# Altium PCB master.PcbDoc (part 1 of 10)
Units mm, origin at the board's own origin, x right, y up, seen from the top; angles counter-clockwise.
Board outline 160 x 120 mm, 6 copper layers (Top Signal, Top GND, Inner PWR, Inner Signal, Bottom GND, Bottom Signal), stack 1.601 mm thick; 526 components, 435 nets, 2167 pads, 1617 vias.
Unrouted connection lines stored in the file: 3.
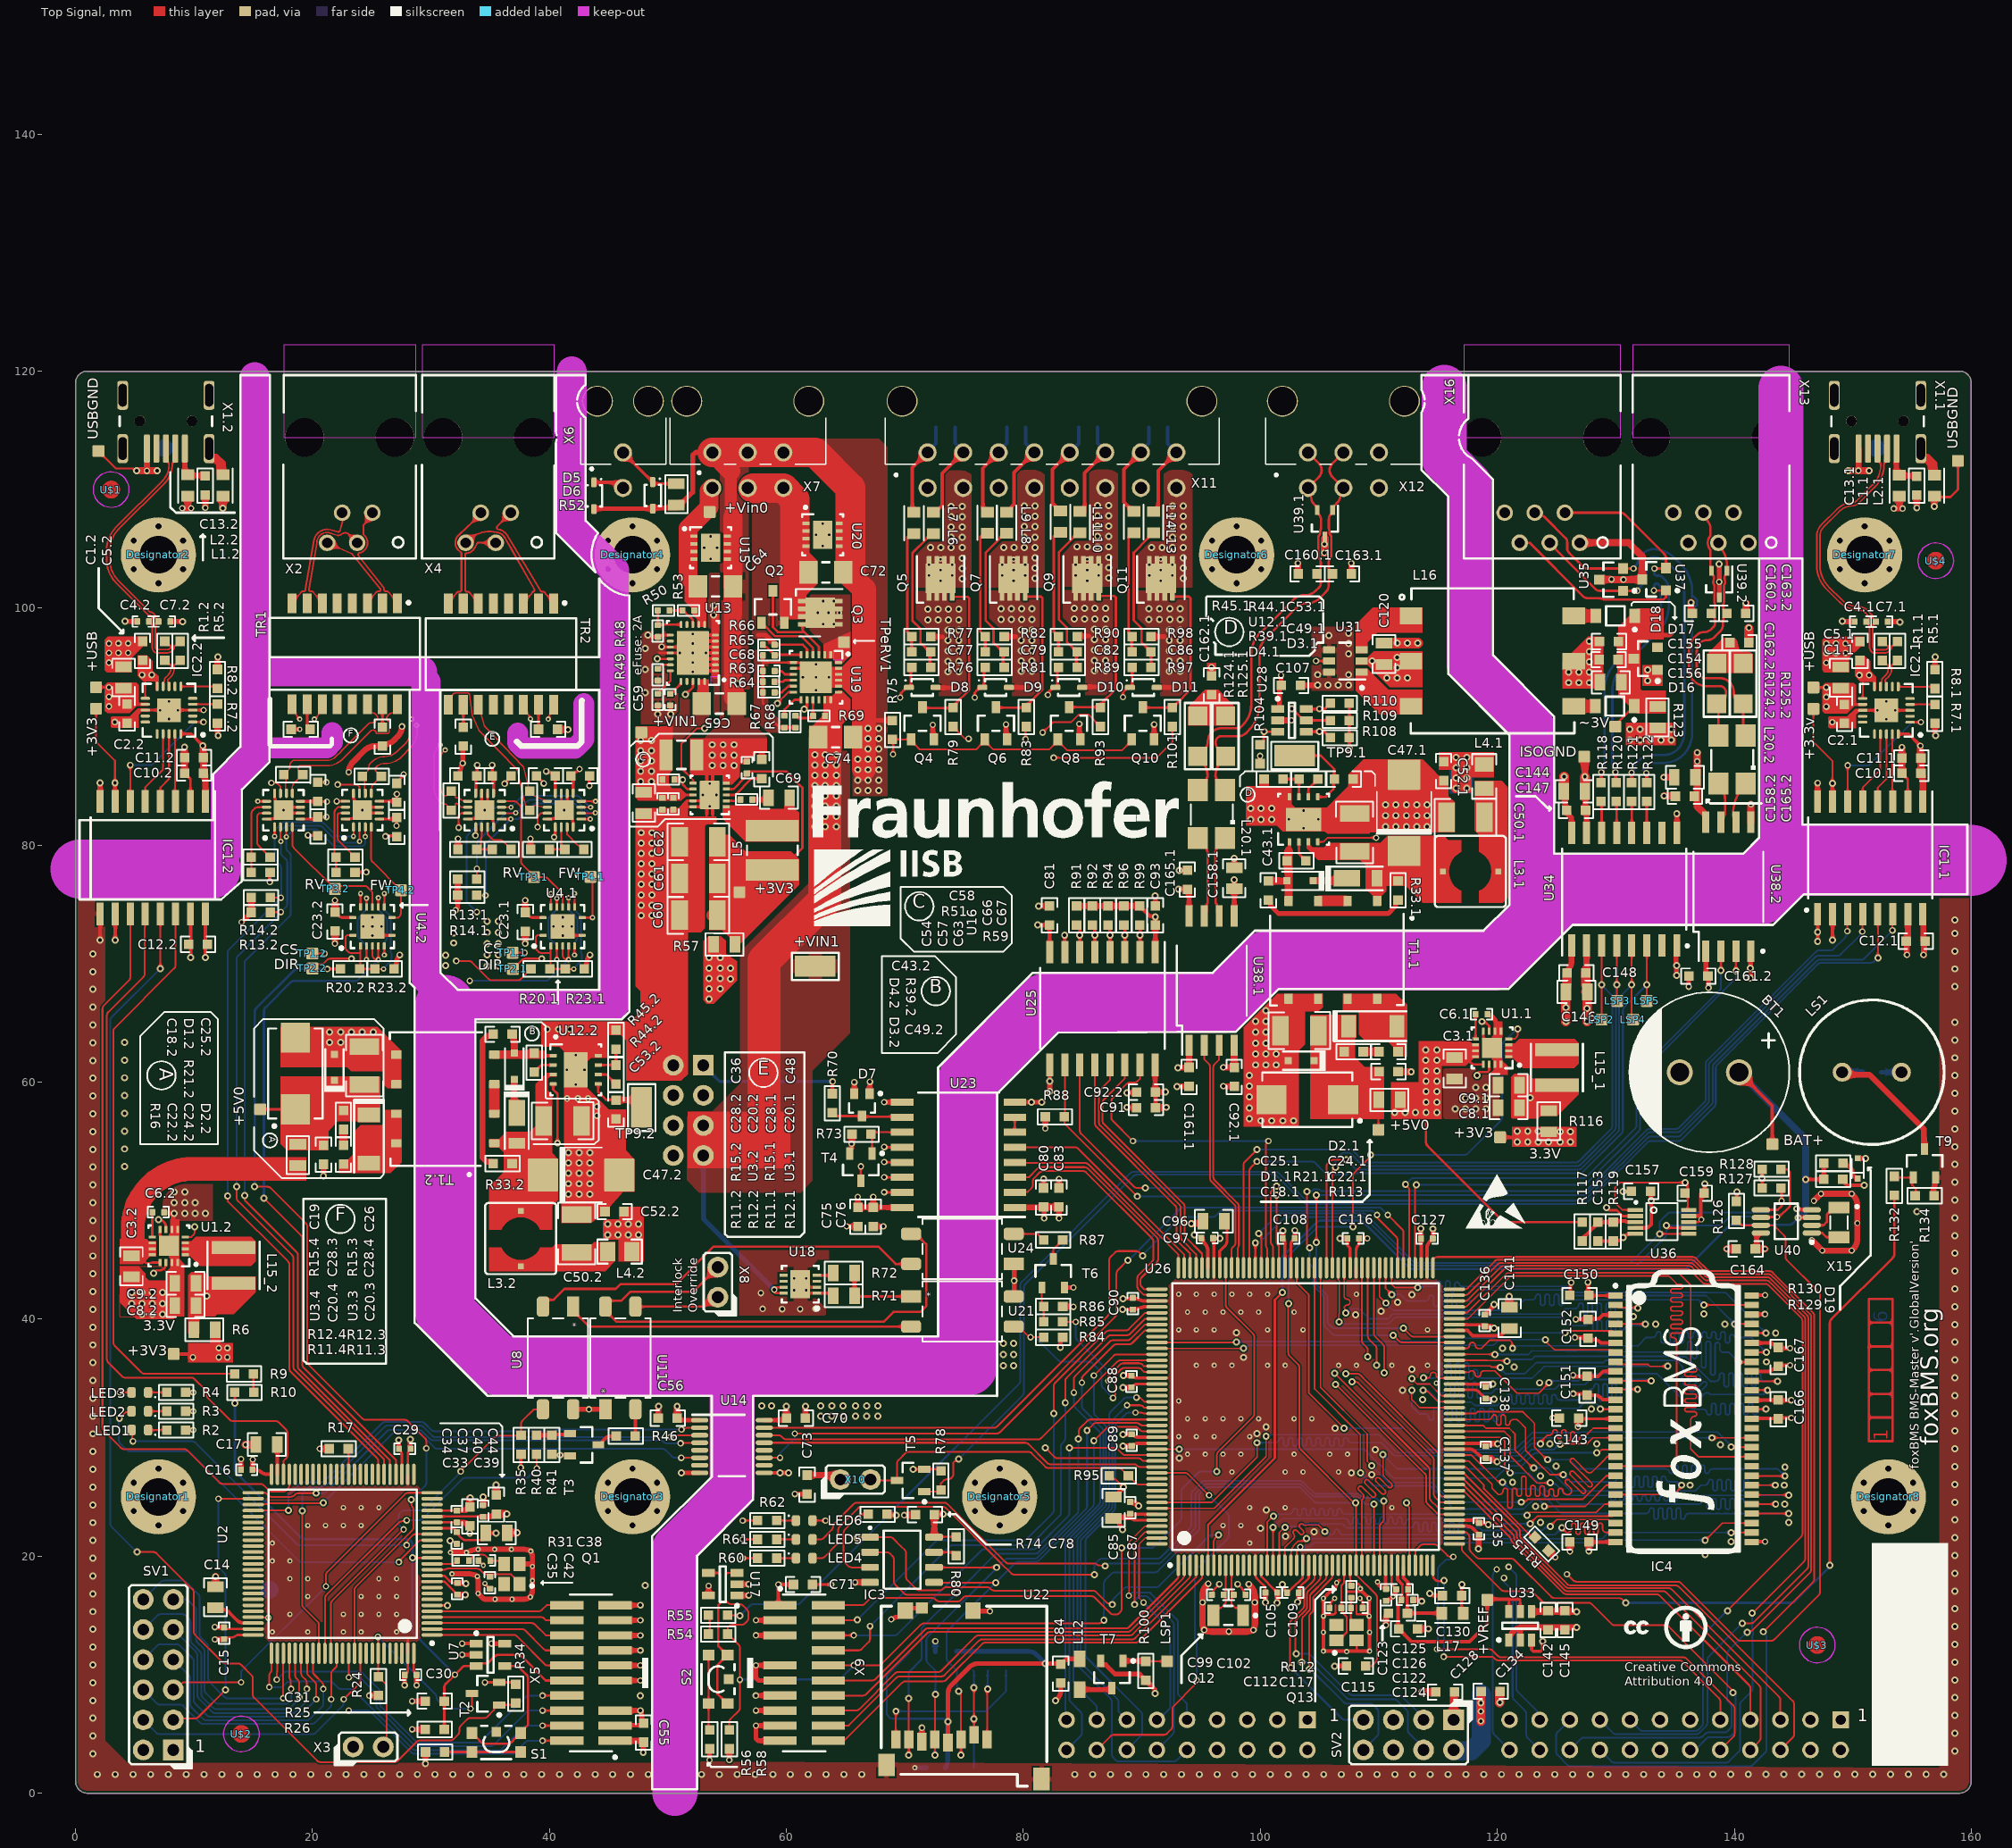
[diagram p0: Top Signal view]
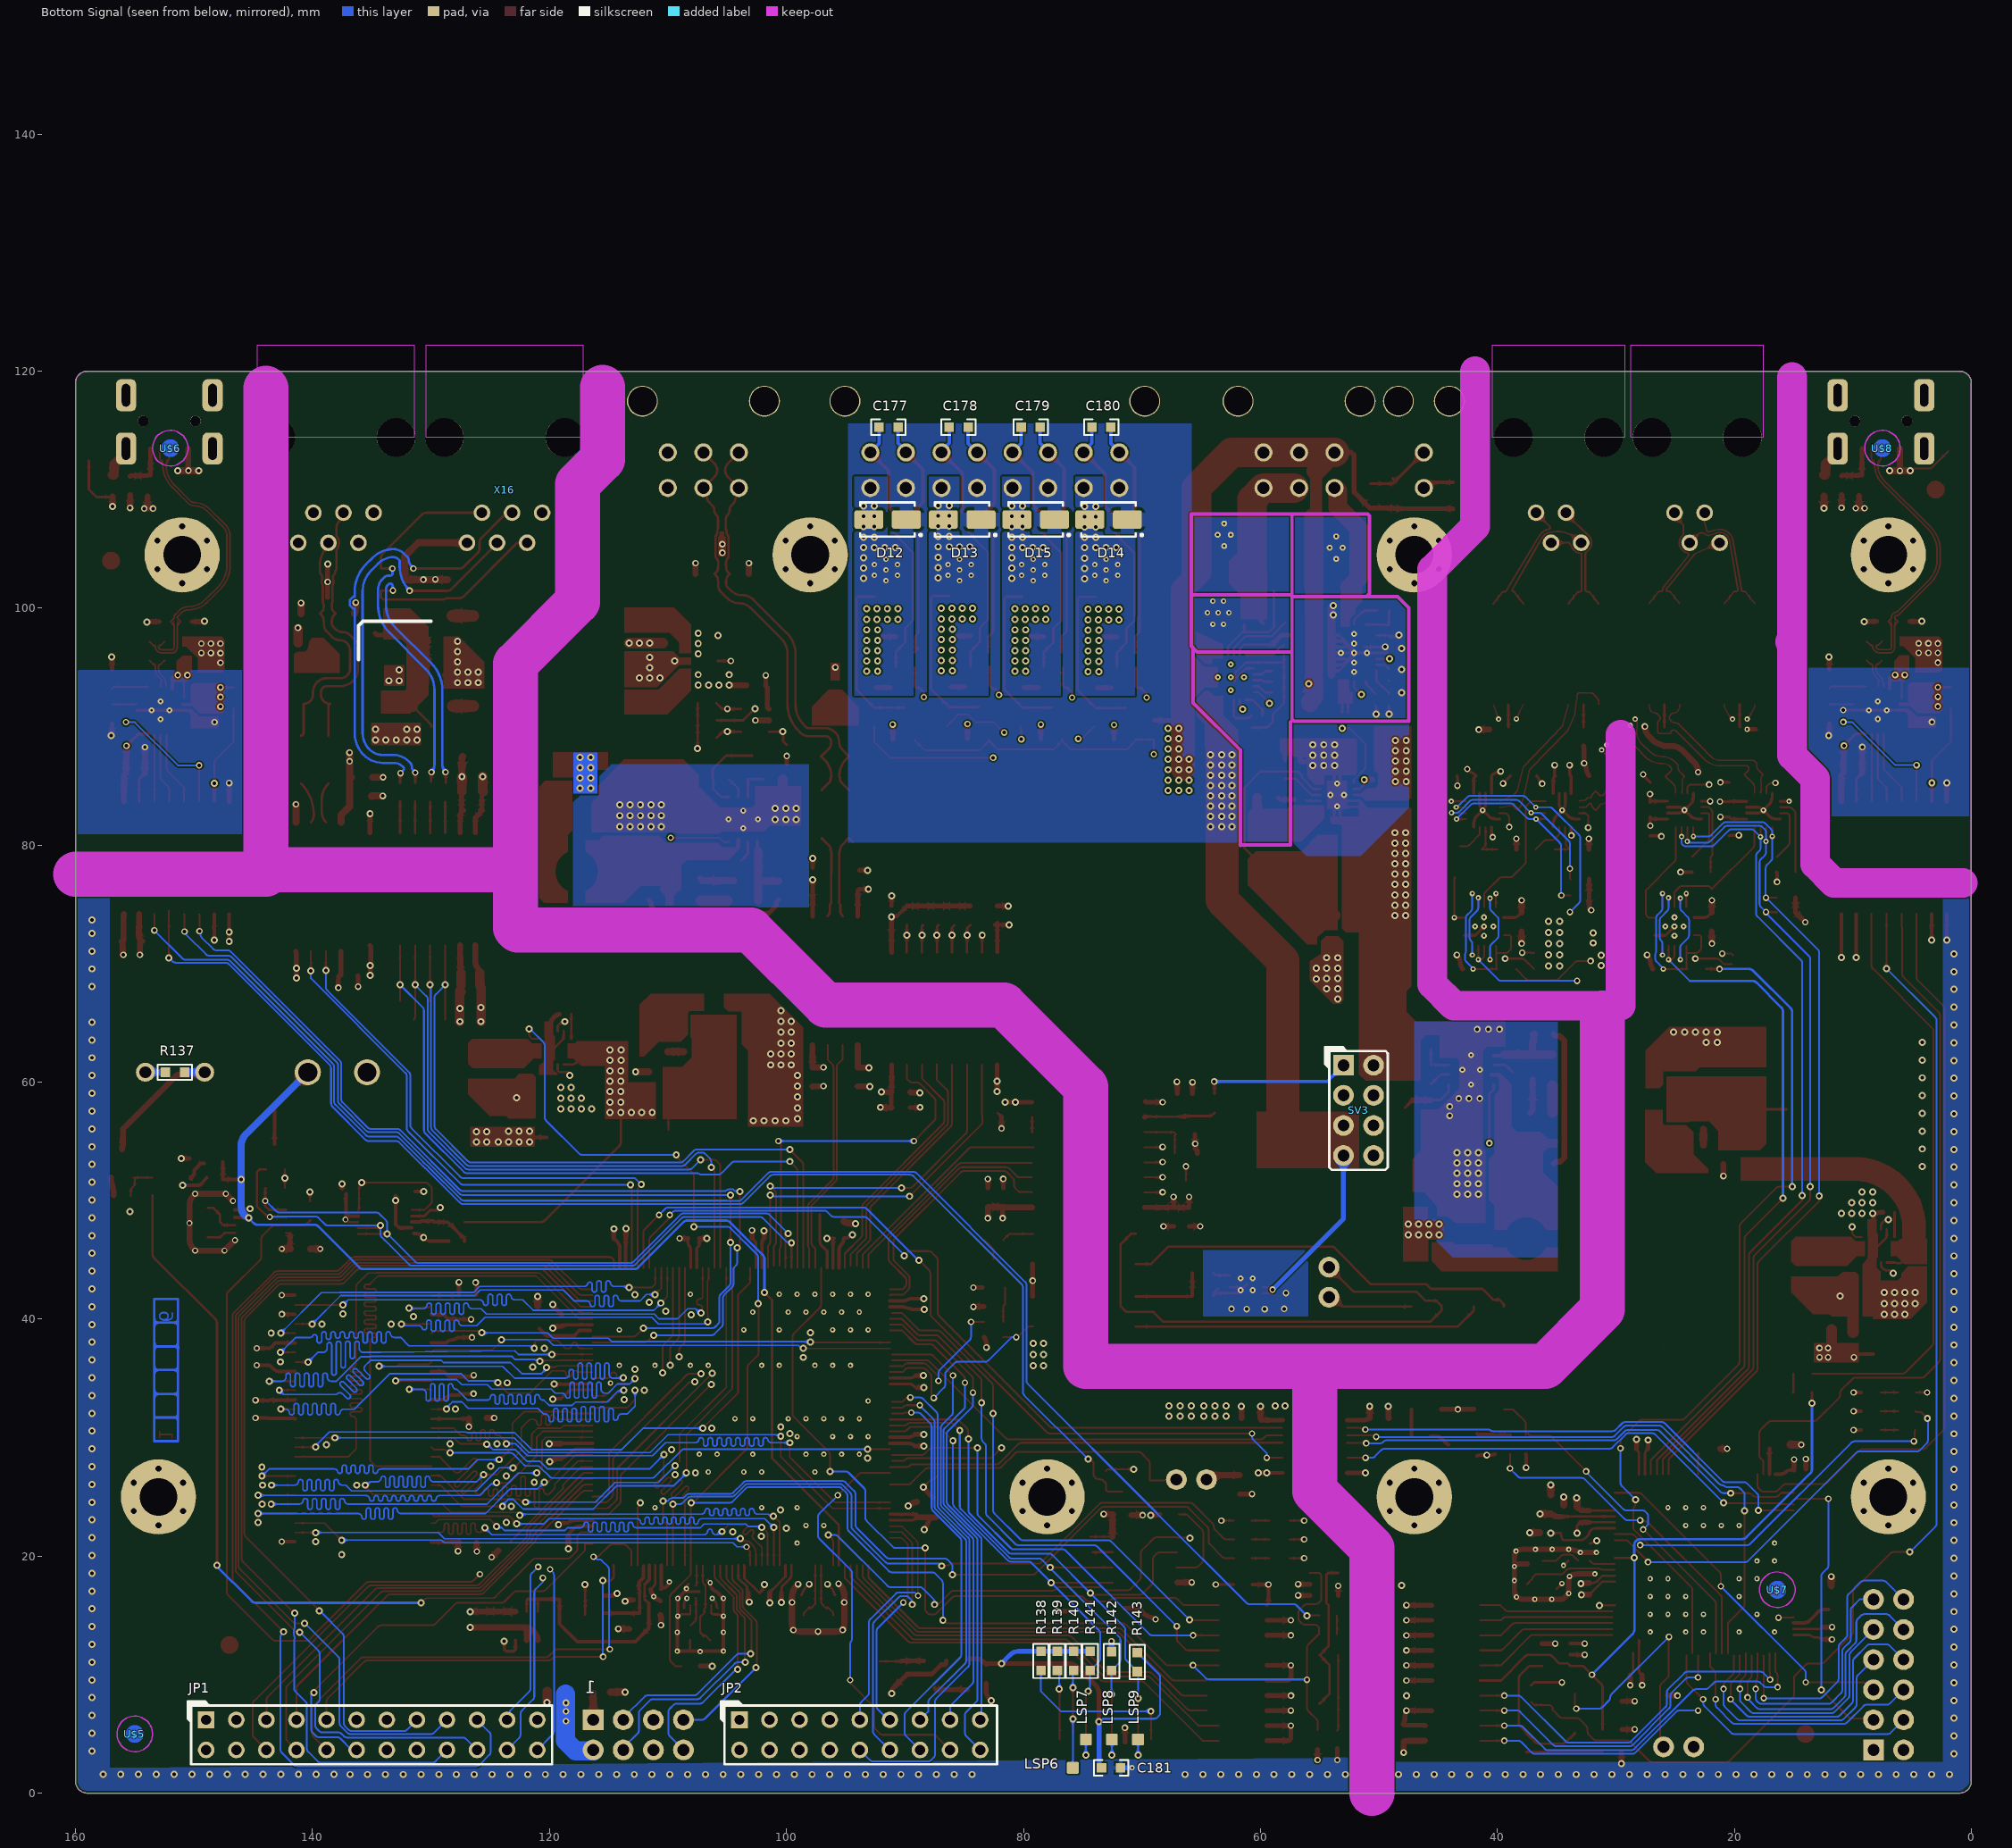
[diagram p1: Bottom Signal view, seen from below]
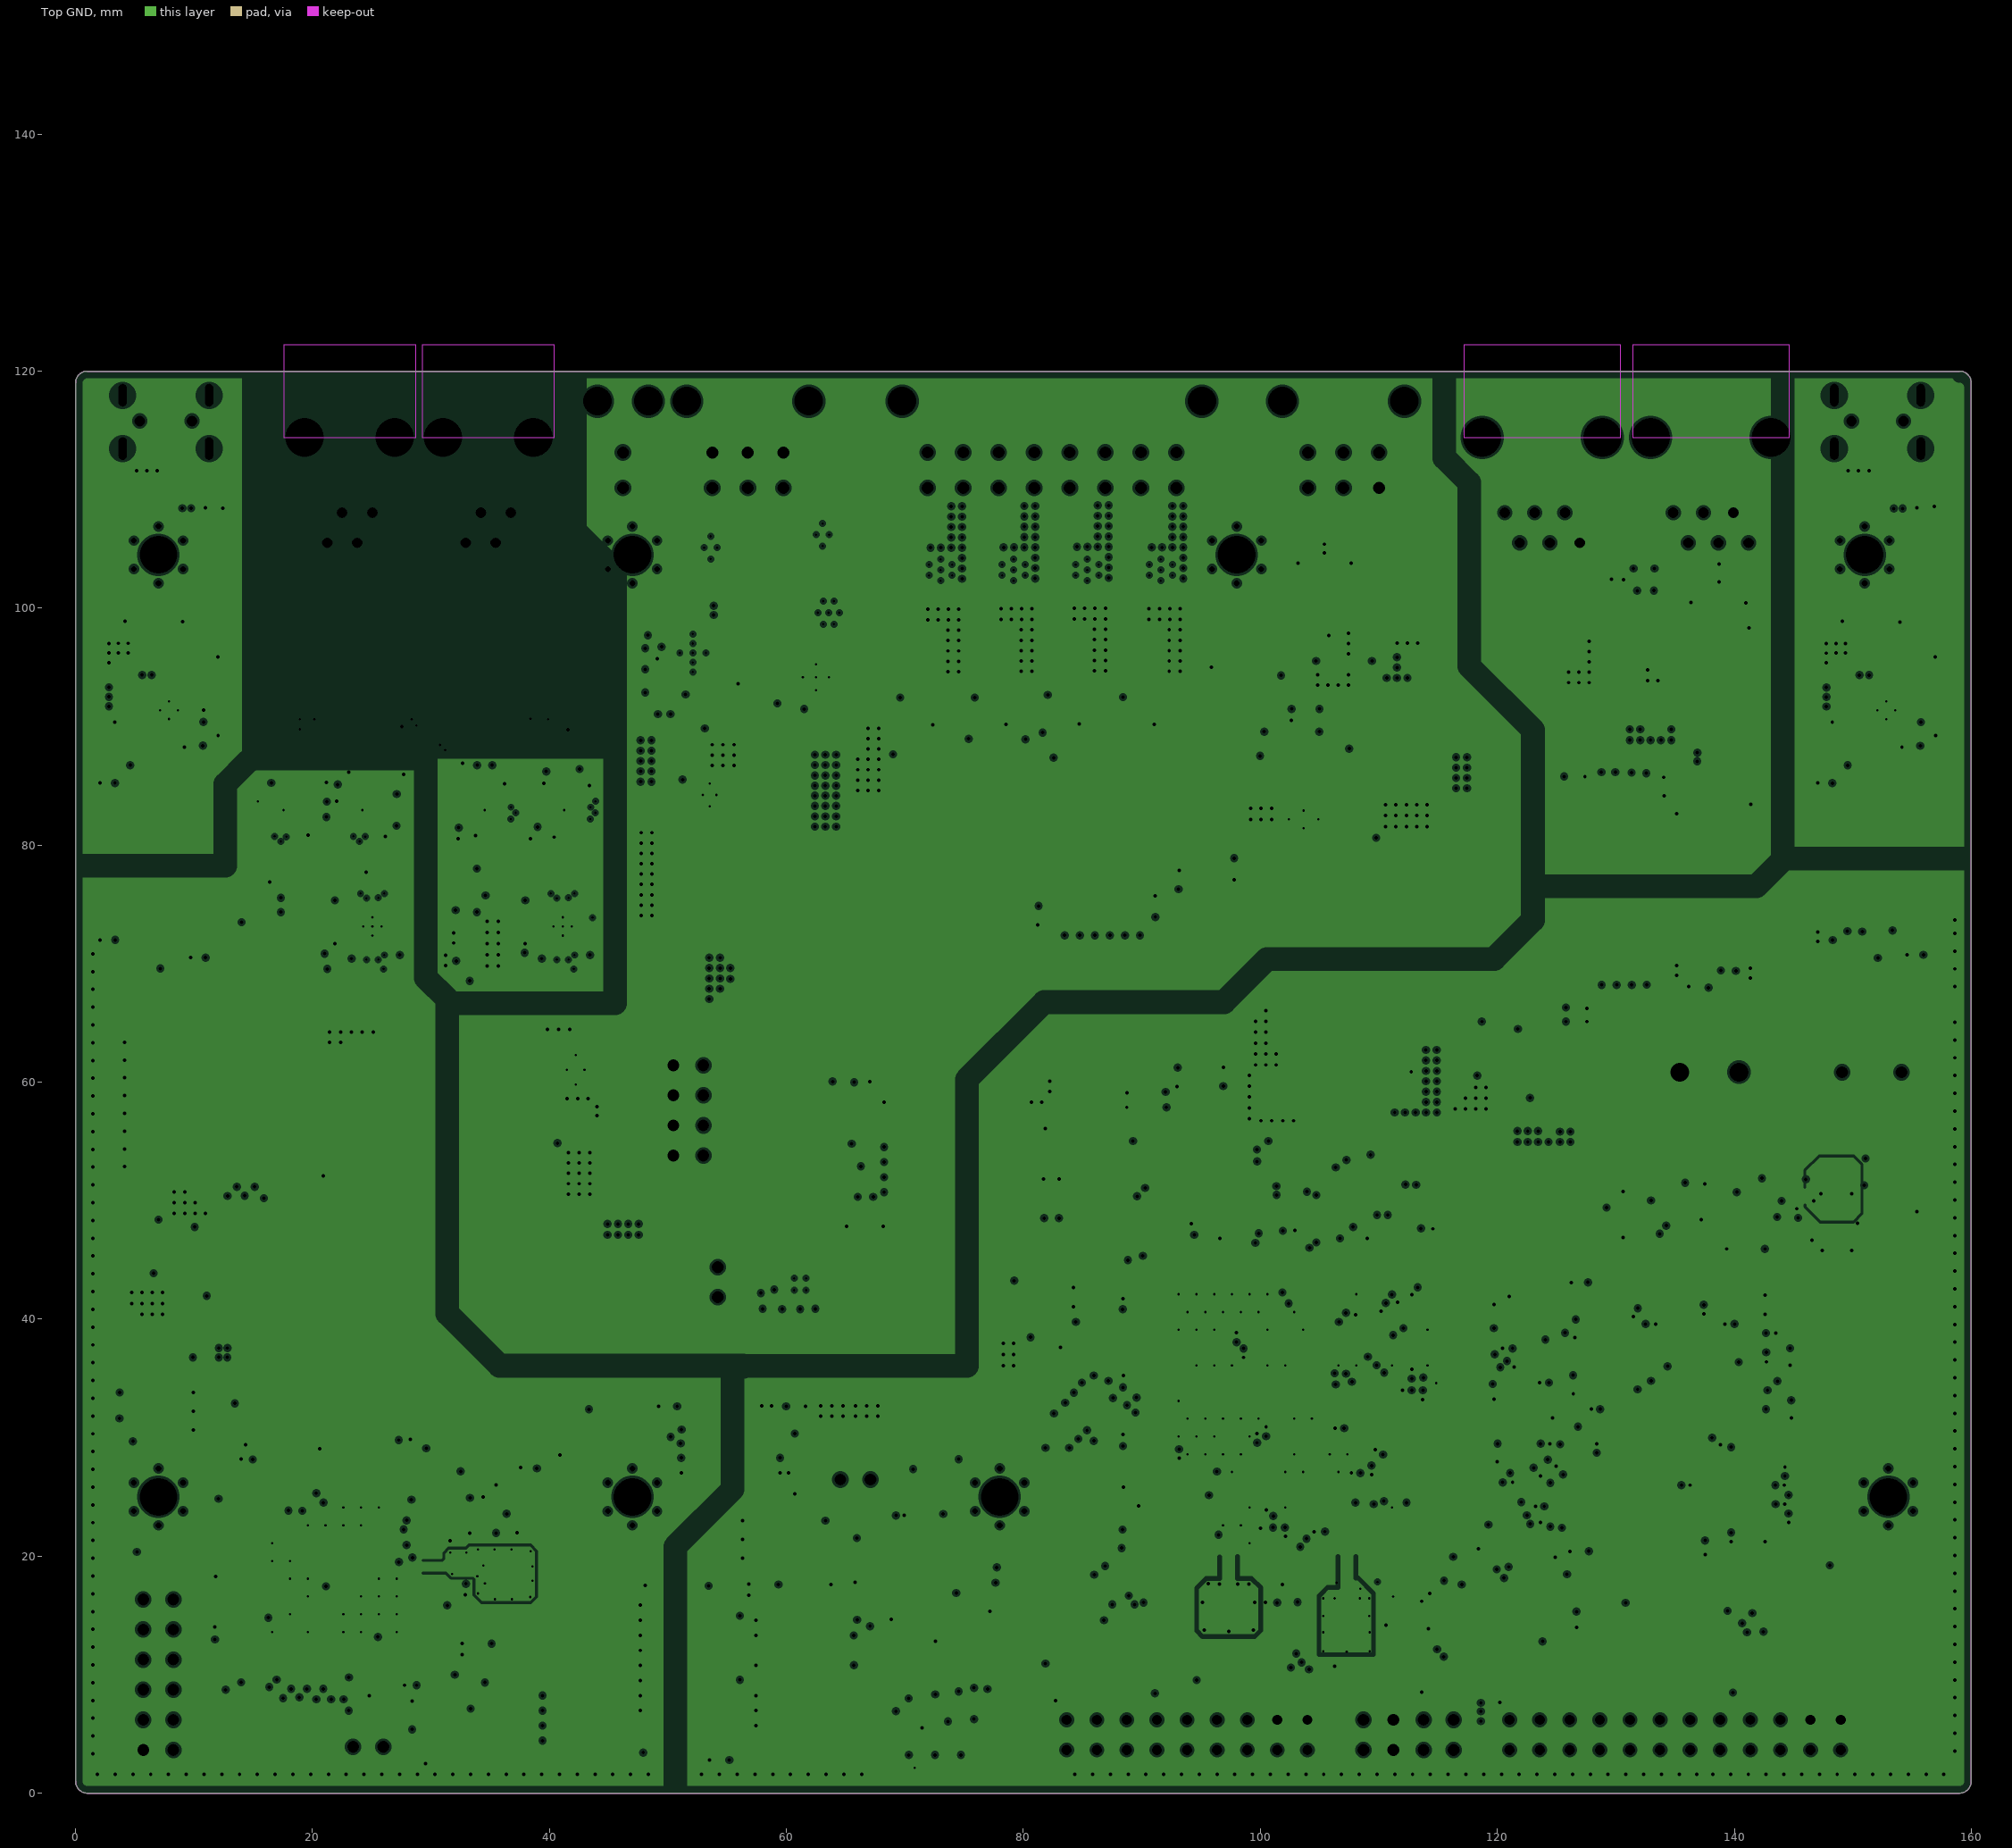
[diagram p2: Top GND, clearances drawn from the general rule]
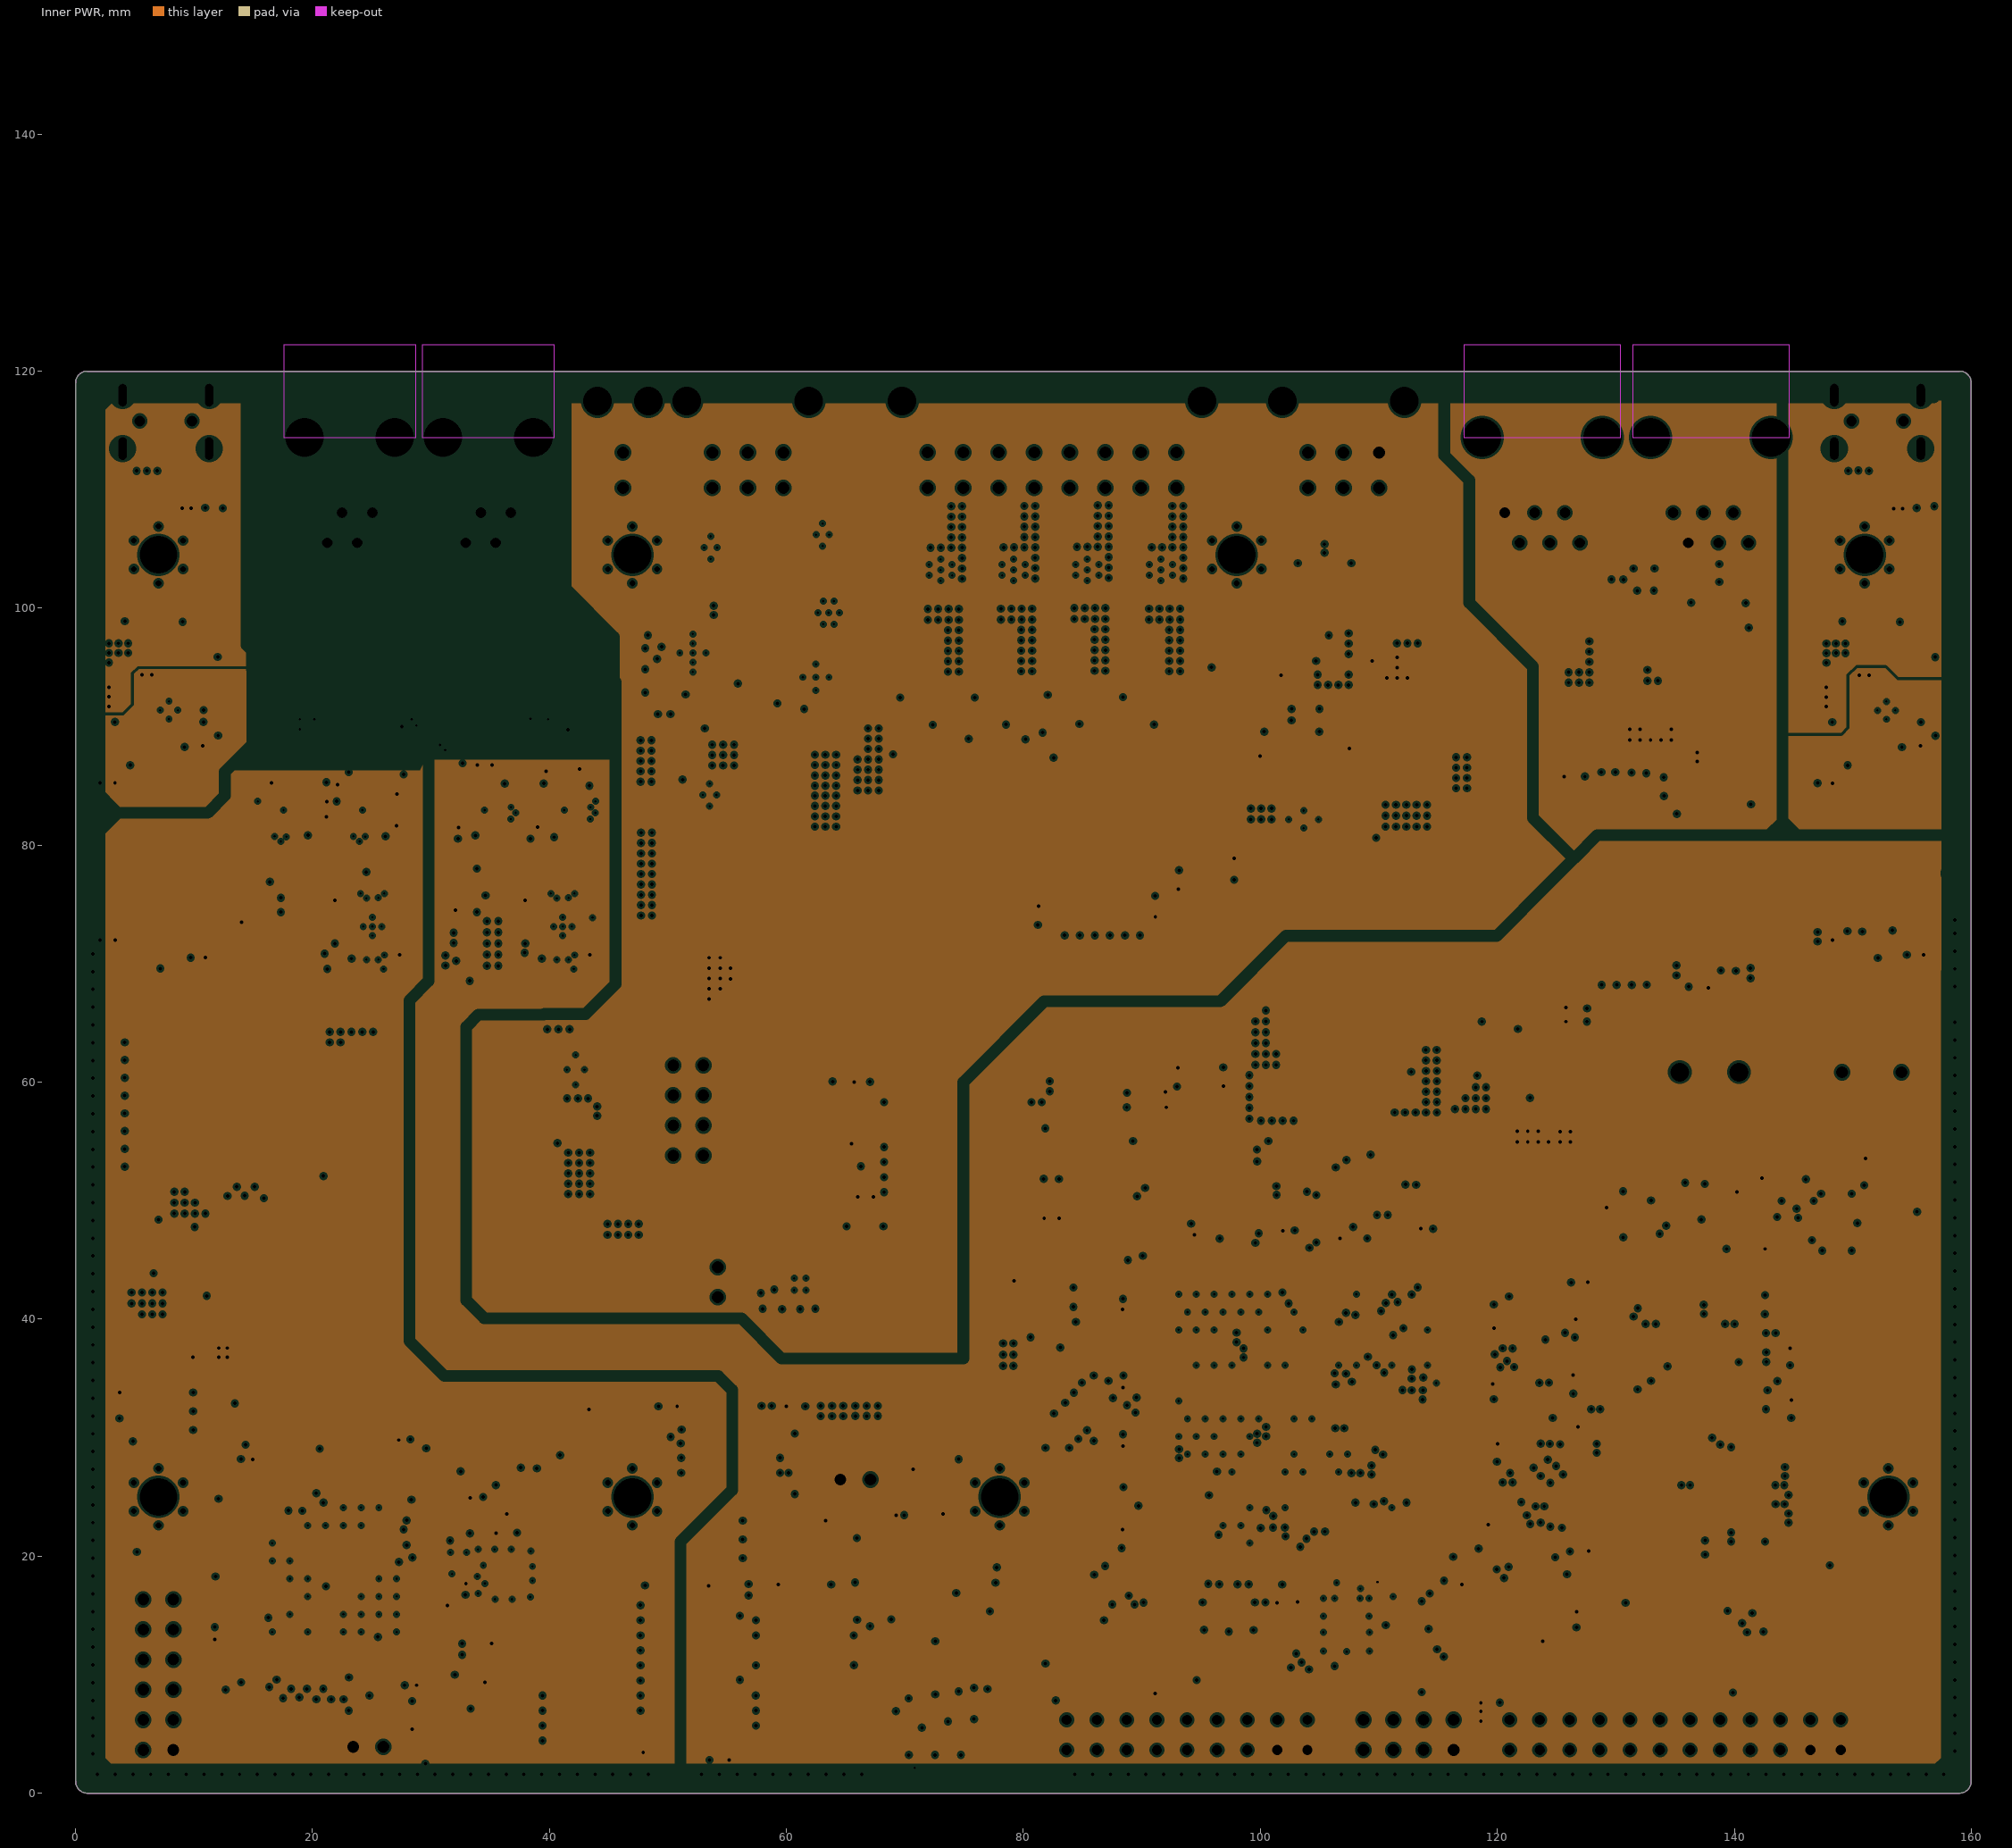
[diagram p3: Inner PWR, clearances drawn from the general rule]